# Altium PCB Gesturelink V1.PcbDoc (part 1 of 9) (continued)
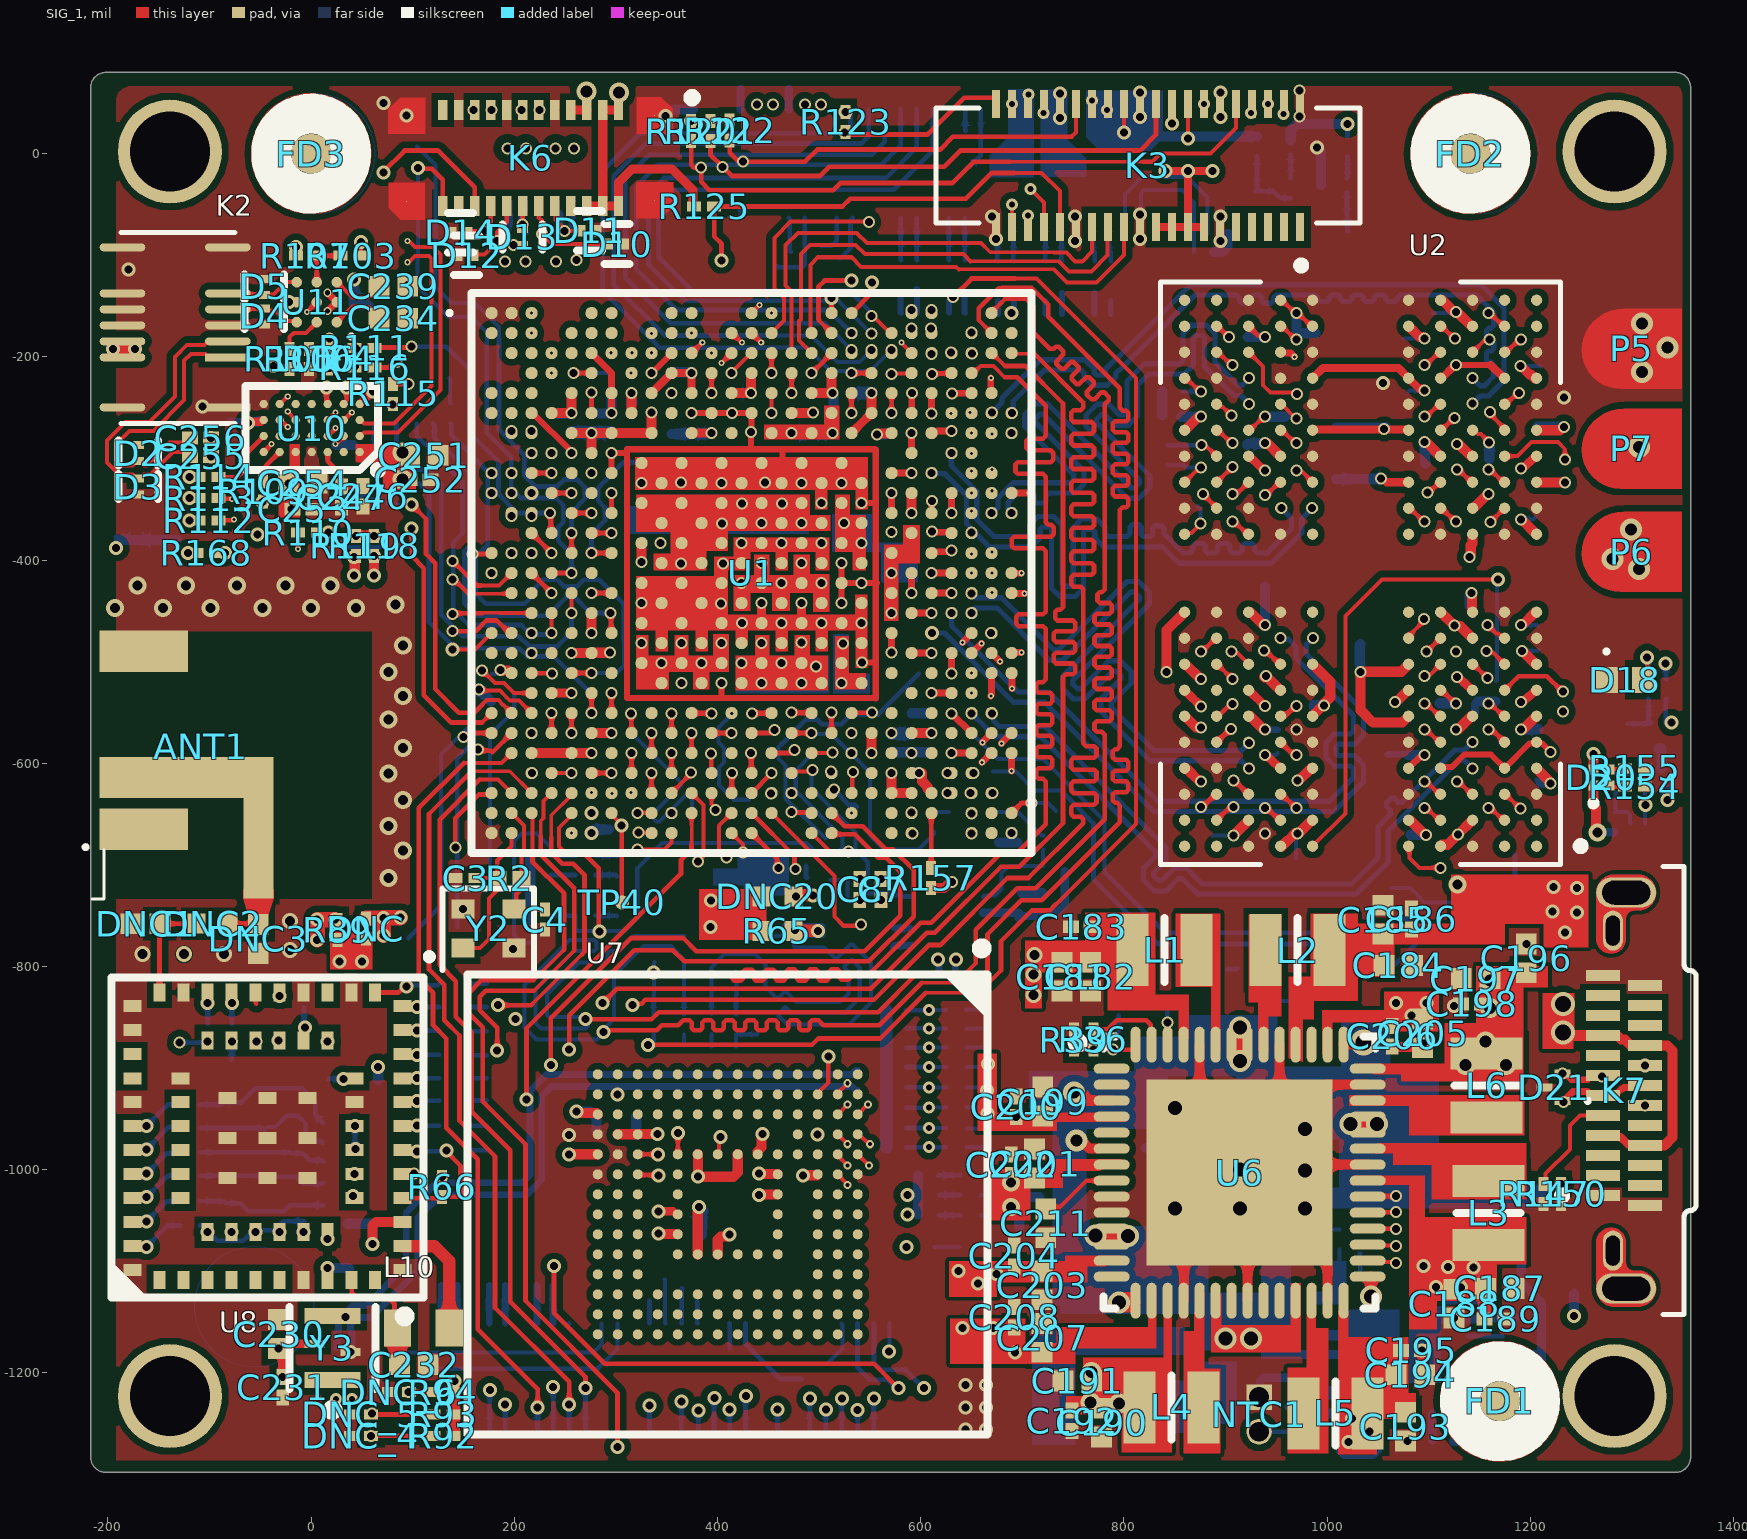
[diagram p0: SIG_1 view]
## Design rules (kind name [scope] priority, off if disabled: settings) (continued)
DiffPairsRouting "High Speed Digital" [InNetClass('High Speed Digital')] p1: maxlimit=5 minlimit=5 mostfreqgap=5 toplayer_minwidth=6.66 toplayer_maxwidth=6.66 toplayer_prefwidth=6.66 midlayer1_minwidth=4.3 midlayer1_maxwidth=4.3 midlayer1_prefwidth=4.3 midlayer2_minwidth=4.25 midlayer2_maxwidth=4.25 midlayer2_prefwidth=4.25 midlayer3_minwidth=4.3 midlayer3_maxwidth=4.3 midlayer3_prefwidth=4.3 midlayer4_minwidth=4.25 midlayer4_maxwidth=4.25 midlayer4_prefwidth=4.25 midlayer5_minwidth=4.57 midlayer5_maxwidth=4.57 midlayer5_prefwidth=4.57 midlayer6_minwidth=4.57 midlayer6_maxwidth=4.57 midlayer6_prefwidth=4.57 midlayer7_minwidth=4.25 midlayer7_maxwidth=4.25 midlayer7_prefwidth=4.25 midlayer8_minwidth=4.3 midlayer8_maxwidth=4.3 midlayer8_prefwidth=4.3 midlayer9_minwidth=4.25 midlayer9_maxwidth=4.25 midlayer9_prefwidth=4.25 midlayer10_minwidth=4.3 midlayer10_maxwidth=4.3 midlayer10_prefwidth=4.3 bottomlayer_minwidth=6.66 bottomlayer_maxwidth=6.66 bottomlayer_prefwidth=6.66 impedanceprofiledriven=TRUE impedanceprofileid={750C3DEB-29BA-4618-836A-6A0779AA5A03} impedanceprofilevalue=90.000000 maxuncoupledlength=500
DiffPairsRouting DISPLAY [InDifferentialPair('LVDS1_CLK')or  InDifferentialPair('LVDS1_D0')or     InDifferentialPair('LVDS1_D1')or  InDifferentialPair('LVDS1_D2')or  InDifferentialPair('LVDS1_D3')  or    InDifferentialPair('DSI_DATA_D0') or InDifferentialPair('DSI_CLK')   or InDifferentialPair('DSI_CK_OUT') or InDifferentialPair('DSI_CK_C') or InDifferentialPair('DSI_D0_C') or InDifferentialPair('DSI_D0_OUT') or InNetClass('MIPI DSI')] p2: maxlimit=5 minlimit=5 mostfreqgap=5 toplayer_minwidth=5.85 toplayer_maxwidth=5.85 toplayer_prefwidth=5.85 midlayer1_minwidth=3.73 midlayer1_maxwidth=3.73 midlayer1_prefwidth=3.73 midlayer2_minwidth=3.68 midlayer2_maxwidth=3.68 midlayer2_prefwidth=3.68 midlayer3_minwidth=3.73 midlayer3_maxwidth=3.73 midlayer3_prefwidth=3.73 midlayer4_minwidth=3.68 midlayer4_maxwidth=3.68 midlayer4_prefwidth=3.68 midlayer5_minwidth=3.98 midlayer5_maxwidth=3.98 midlayer5_prefwidth=3.98 midlayer6_minwidth=3.98 midlayer6_maxwidth=3.98 midlayer6_prefwidth=3.98 midlayer7_minwidth=3.68 midlayer7_maxwidth=3.68 midlayer7_prefwidth=3.68 midlayer8_minwidth=3.73 midlayer8_maxwidth=3.73 midlayer8_prefwidth=3.73 midlayer9_minwidth=3.68 midlayer9_maxwidth=3.68 midlayer9_prefwidth=3.68 midlayer10_minwidth=3.73 midlayer10_maxwidth=3.73 midlayer10_prefwidth=3.73 bottomlayer_minwidth=5.85 bottomlayer_maxwidth=5.85 bottomlayer_prefwidth=5.85 impedanceprofiledriven=TRUE impedanceprofileid={C217E41D-655C-4A68-BA80-7919DECD74AA} impedanceprofilevalue=95.000000 maxuncoupledlength=500
DiffPairsRouting "High speed camera (CSI)" [InDifferentialPair('CSI_CK') OR InDifferentialPair('CSI_D0')] p3: maxlimit=5 minlimit=5 mostfreqgap=5 toplayer_minwidth=5.85 toplayer_maxwidth=5.85 toplayer_prefwidth=5.85 midlayer1_minwidth=3.73 midlayer1_maxwidth=3.73 midlayer1_prefwidth=3.73 midlayer2_minwidth=3.68 midlayer2_maxwidth=3.68 midlayer2_prefwidth=3.68 midlayer3_minwidth=3.73 midlayer3_maxwidth=3.73 midlayer3_prefwidth=3.73 midlayer4_minwidth=3.68 midlayer4_maxwidth=3.68 midlayer4_prefwidth=3.68 midlayer5_minwidth=3.98 midlayer5_maxwidth=3.98 midlayer5_prefwidth=3.98 midlayer6_minwidth=3.98 midlayer6_maxwidth=3.98 midlayer6_prefwidth=3.98 midlayer7_minwidth=3.68 midlayer7_maxwidth=3.68 midlayer7_prefwidth=3.68 midlayer8_minwidth=3.73 midlayer8_maxwidth=3.73 midlayer8_prefwidth=3.73 midlayer9_minwidth=3.68 midlayer9_maxwidth=3.68 midlayer9_prefwidth=3.68 midlayer10_minwidth=3.73 midlayer10_maxwidth=3.73 midlayer10_prefwidth=3.73 bottomlayer_minwidth=5.85 bottomlayer_maxwidth=5.85 bottomlayer_prefwidth=5.85 impedanceprofiledriven=TRUE impedanceprofileid={C217E41D-655C-4A68-BA80-7919DECD74AA} impedanceprofilevalue=95.000000 maxuncoupledlength=500
DiffPairsRouting "Audio Routing" [InDifferentialPair('AIN0') or InDifferentialPair('MIC') or InDifferentialPair('SPEAKER') or InDifferentialPair('SPEAKER_CAP') or InDifferentialPair('SPEAKER_OUT')] p4: maxlimit=5 minlimit=3 mostfreqgap=5 toplayer_minwidth=3.94 toplayer_maxwidth=6.69 toplayer_prefwidth=6.66 midlayer1_minwidth=3.94 midlayer1_maxwidth=6.69 midlayer1_prefwidth=4.3 midlayer2_minwidth=3.94 midlayer2_maxwidth=6.69 midlayer2_prefwidth=4.25 midlayer3_minwidth=3.94 midlayer3_maxwidth=6.69 midlayer3_prefwidth=4.3 midlayer4_minwidth=3.94 midlayer4_maxwidth=6.69 midlayer4_prefwidth=4.25 midlayer5_minwidth=3.94 midlayer5_maxwidth=6.69 midlayer5_prefwidth=4.57 midlayer6_minwidth=3.94 midlayer6_maxwidth=6.69 midlayer6_prefwidth=4.57 midlayer7_minwidth=3.94 midlayer7_maxwidth=6.69 midlayer7_prefwidth=4.25 midlayer8_minwidth=3.94 midlayer8_maxwidth=6.69 midlayer8_prefwidth=4.3 midlayer9_minwidth=3.94 midlayer9_maxwidth=6.69 midlayer9_prefwidth=4.25 midlayer10_minwidth=3.94 midlayer10_maxwidth=6.69 midlayer10_prefwidth=4.3 bottomlayer_minwidth=3.94 bottomlayer_maxwidth=6.69 bottomlayer_prefwidth=6.66 impedanceprofiledriven=TRUE impedanceprofileid={750C3DEB-29BA-4618-836A-6A0779AA5A03} impedanceprofilevalue=90.000000 maxuncoupledlength=500
DiffPairsRouting "DDR Diff pairs" [InDifferentialPair('DDR_CK_A') or InDifferentialPair('DDR_CK_B') or InDifferentialPair('DSQ0_A')   or InDifferentialPair('DSQ0_B')   or InDifferentialPair('DSQ1_A')   or InDifferentialPair('DSQ1_B')] p5: maxlimit=5 minlimit=5 mostfreqgap=5 toplayer_minwidth=5.12 toplayer_maxwidth=5.12 toplayer_prefwidth=5.12 midlayer1_minwidth=3.24 midlayer1_maxwidth=3.24 midlayer1_prefwidth=3.24 midlayer2_minwidth=3.18 midlayer2_maxwidth=3.18 midlayer2_prefwidth=3.18 midlayer3_minwidth=3.24 midlayer3_maxwidth=3.24 midlayer3_prefwidth=3.24 midlayer4_minwidth=3.18 midlayer4_maxwidth=3.18 midlayer4_prefwidth=3.18 midlayer5_minwidth=3.46 midlayer5_maxwidth=3.46 midlayer5_prefwidth=3.46 midlayer6_minwidth=3.46 midlayer6_maxwidth=3.46 midlayer6_prefwidth=3.46 midlayer7_minwidth=3.18 midlayer7_maxwidth=3.18 midlayer7_prefwidth=3.18 midlayer8_minwidth=3.24 midlayer8_maxwidth=3.24 midlayer8_prefwidth=3.24 midlayer9_minwidth=3.18 midlayer9_maxwidth=3.18 midlayer9_prefwidth=3.18 midlayer10_minwidth=3.24 midlayer10_maxwidth=3.24 midlayer10_prefwidth=3.24 bottomlayer_minwidth=5.12 bottomlayer_maxwidth=5.12 bottomlayer_prefwidth=5.12 impedanceprofiledriven=TRUE impedanceprofileid={8625383F-8848-4314-B0A5-A561F684E90B} impedanceprofilevalue=100.000000 maxuncoupledlength=500
Length "LPDDR4 Length" [InNetClass('LPDDR4_DATA')] p1: maxlimit=1300 minlimit=850
MatchedLengths MatchedLengths_DDR_CLOCKS_STROBES [All] p1: tolerance=300 checknetsindiffpair=TRUE checkdiffpairvsdiffpair=FALSE checkxsignals=FALSE checkothers=FALSE
MinimumSolderMaskSliver [All] p1: minsoldermaskwidth=0.1
OvershootFalling "lpddr4 undershoot" [InNetClass('LPDDR4_DATA')] p1: maximum=220.0u
OvershootRising "LPDDR4 overshoot" [All] p1: maximum=200.0m
PolygonConnect "Battery Pack" [All vs InNet('BAT_PACK_IN')] p1: connectstyle=Relief reliefconductorwidth=10 reliefentries=4 polygonreliefangle="90 Angle" airgapwidth=10
PolygonConnect [All] p2: connectstyle=Direct reliefconductorwidth=10 reliefentries=4 polygonreliefangle="90 Angle" airgapwidth=10
RoutingLayers [All] p1: top layer_v5=TRUE mid layer 1_v5=FALSE mid layer 2_v5=TRUE mid layer 3_v5=TRUE mid layer 4_v5=FALSE mid layer 5_v5=TRUE mid layer 6_v5=TRUE mid layer 7_v5=FALSE mid layer 8_v5=TRUE mid layer 9_v5=TRUE mid layer 10_v5=FALSE bottom layer_v5=TRUE
RoutingVias MicroVias [IsSkipVia] p1: holewidth=6 width=12 viastyle="Through Hole" minholewidth=3 minwidth=6 maxholewidth=9 maxwidth=16
RoutingVias MicroVias_1 [IsMicroVia] p2: holewidth=3 width=6 viastyle="Through Hole" minholewidth=2 minwidth=4 maxholewidth=4 maxwidth=8
RoutingVias [All] p3: holewidth=28 width=50 viastyle="Through Hole" minholewidth=28 minwidth=50 maxholewidth=28 maxwidth=50
SignalBaseValue [All] p1: maximum=0.000
SignalStimulus Stimulus_LPDDR4_DATA [InNetClass('LPDDR4_DATA')] p1: kind=1 level=0 starttime=10.00n stoptime=10.30 periodtime=100.0n
SignalTopValue [All] p1: minimum=1.100
SilkToSilkClearance [All] p1: silktosilkclearance=0
SilkToSolderMaskClearance [IsPad] p1: minsilkscreentomaskgap=0 clearancetoexposedcopper=TRUE
SlopeFalling [InNetClass('LPDDR4_DATA')] p1: maxslope=200.0p
SlopeRising [InNetClass('LPDDR4_DATA')] p1: maxslope=200.0p
SolderMaskExpansion [All] p1: expansion=4 istentingtop=FALSE
SupplyNets "Schematic Supply Nets_97" [InNet('LIPO_IN_CHARGER')] p1: voltage=0.000
SupplyNets "Schematic Supply Nets_96" [InNet('I2C8_SDA')] p2: voltage=0.000
SupplyNets "Schematic Supply Nets_95" [InNet('I2C8_SCL')] p3: voltage=0.000
SupplyNets "Schematic Supply Nets_94" [InNet('I2C5_SDA')] p4: voltage=0.000
SupplyNets "Schematic Supply Nets_93" [InNet('I2C5_SCL')] p5: voltage=0.000
SupplyNets "Schematic Supply Nets_68" [InNet('ETH1_MDIO')] p6: voltage=0.000
SupplyNets "Schematic Supply Nets_56" [InNet('ETH_RGMII_MDC')] p7: voltage=0.000
SupplyNets "Schematic Supply Nets_15" [InNet('SAI2_SD_A_R')] p8: voltage=0.000
SupplyNets "Schematic Supply Nets_2" [InNet('SAI3_SD_A')] p9: voltage=0.000
SupplyNets "Schematic Supply Nets_11" [InNet('I2C2_SDA')] p10: voltage=0.000
SupplyNets "Schematic Supply Nets_92" [InNet('SPI7_MOSI')] p11: voltage=0.000
SupplyNets "Schematic Supply Nets_91" [InNet('STAT_IND')] p12: voltage=0.000
SupplyNets "Schematic Supply Nets_90" [InNet('SPI4_CS')] p13: voltage=0.000
SupplyNets "Schematic Supply Nets_89" [InNet('USART6_TX')] p14: voltage=0.000
SupplyNets "Schematic Supply Nets_88" [InNet('I2C2_SCL')] p15: voltage=0.000
SupplyNets "Schematic Supply Nets_87" [InNet('SPI2_CS')] p16: voltage=0.000
SupplyNets "Schematic Supply Nets_86" [InNet('USART2_RX')] p17: voltage=0.000
SupplyNets "Schematic Supply Nets_85" [InNet('SAI2_FS_B')] p18: voltage=0.000
SupplyNets "Schematic Supply Nets_84" [InNet('USB_MUX_SW')] p19: voltage=0.000
SupplyNets "Schematic Supply Nets_83" [InNet('SPI4_MISO')] p20: voltage=0.000
SupplyNets "Schematic Supply Nets_82" [InNet('UART8_RTS')] p21: voltage=0.000
SupplyNets "Schematic Supply Nets_81" [InNet('MIC_VDD')] p22: voltage=0.000
SupplyNets "Schematic Supply Nets_80" [InNet('SPI7_SCK')] p23: voltage=0.000
SupplyNets "Schematic Supply Nets_79" [InNet('USART2_TX')] p24: voltage=0.000
SupplyNets "Schematic Supply Nets_78" [InNet('OSC_OUT')] p25: voltage=0.000
SupplyNets "Schematic Supply Nets_77" [InNet('SYS_3V3')] p26: voltage=0.000
SupplyNets "Schematic Supply Nets_76" [InNet('VDD_EMMC')] p27: voltage=0.000
SupplyNets "Schematic Supply Nets_75" [InNet('VDD_SOC_0V8')] p28: voltage=0.000
SupplyNets "Schematic Supply Nets_74" [InNet('ETH_RGMII_TXD2')] p29: voltage=0.000
SupplyNets "Schematic Supply Nets_73" [InNet('SYS_1V8')] p30: voltage=0.000
SupplyNets "Schematic Supply Nets_72" [InNet('1V2_CODEC')] p31: voltage=0.000
SupplyNets "Schematic Supply Nets_71" [InNet('SPI2_MOSI')] p32: voltage=0.000
SupplyNets "Schematic Supply Nets_70" [InNet('SPI3_MOSI')] p33: voltage=0.000
SupplyNets "Schematic Supply Nets_69" [InNet('OSC32_IN')] p34: voltage=0.000
SupplyNets "Schematic Supply Nets_67" [InNet('SPI3_MISO')] p35: voltage=0.000
SupplyNets "Schematic Supply Nets_66" [InNet('ETH_RGMII_GTX_CLK')] p36: voltage=0.000
SupplyNets "Schematic Supply Nets_65" [InNet('SPI4_MOSI')] p37: voltage=0.000
SupplyNets "Schematic Supply Nets_64" [InNet('BAT_PACK_IN')] p38: voltage=0.000
SupplyNets "Schematic Supply Nets_63" [InNet('SPI5_SCK')] p39: voltage=0.000
SupplyNets "Schematic Supply Nets_62" [InNet('SAI3_SD_B')] p40: voltage=0.000
SupplyNets "Schematic Supply Nets_61" [InNet('UART8_TX')] p41: voltage=0.000
SupplyNets "Schematic Supply Nets_60" [InNet('I2C7_SCL')] p42: voltage=0.000
SupplyNets "Schematic Supply Nets_59" [InNet('UART8_CTS')] p43: voltage=0.000
SupplyNets "Schematic Supply Nets_58" [InNet('SAI3_SCK_B')] p44: voltage=0.000
SupplyNets "Schematic Supply Nets_57" [InNet('VBACKUP')] p45: voltage=0.000
SupplyNets "Schematic Supply Nets_55" [InNet('ETH_RGMII_TXD1')] p46: voltage=0.000
SupplyNets "Schematic Supply Nets_54" [InNet('VPP_DDR_1V8')] p47: voltage=0.000
SupplyNets "Schematic Supply Nets_53" [InNet('ETH_RGMII_TX_CTL')] p48: voltage=0.000
SupplyNets "Schematic Supply Nets_52" [InNet('SR_VLX')] p49: voltage=0.000
SupplyNets "Schematic Supply Nets_51" [InNet('ETH_RGMII_RXC')] p50: voltage=0.000
SupplyNets "Schematic Supply Nets_50" [InNet('MPU_VIN')] p51: voltage=0.000
SupplyNets "Schematic Supply Nets_49" [InNet('I2C7_SDA')] p52: voltage=0.000
SupplyNets "Schematic Supply Nets_48" [InNet('SPI2_SCK')] p53: voltage=0.000
SupplyNets "Schematic Supply Nets_47" [InNet('ETH_RGMII_RX_CLK')] p54: voltage=0.000
SupplyNets "Schematic Supply Nets_46" [InNet('CLKIN_CODEC')] p55: voltage=0.000
SupplyNets "Schematic Supply Nets_45" [InNet('USART6_RX')] p56: voltage=0.000
SupplyNets "Schematic Supply Nets_44" [InNet('SAI2_SCK_B')] p57: voltage=0.000
SupplyNets "Schematic Supply Nets_43" [InNet('SPEAKER_OUT_N')] p58: voltage=0.000
SupplyNets "Schematic Supply Nets_42" [InNet('SDMMC2_1V8')] p59: voltage=0.000
SupplyNets "Schematic Supply Nets_41" [InNet('SPI7_CS')] p60: voltage=0.000
SupplyNets "Schematic Supply Nets_40" [InNet('ETH_RGMII_TXD3')] p61: voltage=0.000
SupplyNets "Schematic Supply Nets_39" [InNet('UART8_RX')] p62: voltage=0.000
SupplyNets "Schematic Supply Nets_38" [InNet('ETH_RGMII_RXD0')] p63: voltage=0.000
SupplyNets "Schematic Supply Nets_37" [InNet('SPI1_SCK')] p64: voltage=0.000
SupplyNets "Schematic Supply Nets_36" [InNet('WIFI_VDDIO')] p65: voltage=0.000
SupplyNets "Schematic Supply Nets_35" [InNet('SAI3_FS_B')] p66: voltage=0.000
SupplyNets "Schematic Supply Nets_34" [InNet('SPI5_MOSI')] p67: voltage=0.000
SupplyNets "Schematic Supply Nets_33" [InNet('3V3_IMU')] p68: voltage=0.000
SupplyNets "Schematic Supply Nets_32" [InNet('SPI1_MOSI')] p69: voltage=0.000
SupplyNets "Schematic Supply Nets_31" [InNet('SDMMC2_3V3')] p70: voltage=0.000
SupplyNets "Schematic Supply Nets_30" [InNet('RF_OUT')] p71: voltage=0.000
SupplyNets "Schematic Supply Nets_29" [InNet('SPI2_MISO')] p72: voltage=0.000
SupplyNets "Schematic Supply Nets_28" [InNet('SPI1_CS')] p73: voltage=0.000
SupplyNets "Schematic Supply Nets_27" [InNet('SPEAKER_N')] p74: voltage=0.000
SupplyNets "Schematic Supply Nets_26" [InNet('SPI3_CS')] p75: voltage=0.000
SupplyNets "Schematic Supply Nets_25" [InNet('SPI1_MISO')] p76: voltage=0.000
SupplyNets "Schematic Supply Nets_24" [InNet('USB_VIN')] p77: voltage=0.000
SupplyNets "Schematic Supply Nets_23" [InNet('VDDQDDR_1V1')] p78: voltage=0.000
SupplyNets "Schematic Supply Nets_22" [InNet('ETH_RGMII_RXD1')] p79: voltage=0.000
SupplyNets "Schematic Supply Nets_21" [InNet('SPEAKER_OUT_P')] p80: voltage=0.000
SupplyNets "Schematic Supply Nets_20" [InNet('ETH_RGMII_RXD2')] p81: voltage=0.000
SupplyNets "Schematic Supply Nets_19" [InNet('VREFDDR')] p82: voltage=0.000
SupplyNets "Schematic Supply Nets_18" [InNet('SPI5_CS')] p83: voltage=0.000
SupplyNets "Schematic Supply Nets_17" [InNet('AIN0_N')] p84: voltage=0.000
SupplyNets "Schematic Supply Nets_16" [InNet('SAI2_SD_B_T')] p85: voltage=0.000
SupplyNets "Schematic Supply Nets_14" [InNet('SPI4_SCK')] p86: voltage=0.000
SupplyNets "Schematic Supply Nets_13" [InNet('SPI3_SCK')] p87: voltage=0.000
SupplyNets "Schematic Supply Nets_12" [InNet('SPI5_MISO')] p88: voltage=0.000
SupplyNets "Schematic Supply Nets_10" [InNet('SPI7_MISO')] p89: voltage=0.000
SupplyNets "Schematic Supply Nets_8" [InNet('AIN0_P')] p90: voltage=0.000
SupplyNets "Schematic Supply Nets_7" [InNet('USB_MUX_RST')] p91: voltage=0.000
SupplyNets "Schematic Supply Nets_6" [InNet('OSC_IN')] p92: voltage=0.000
SupplyNets "Schematic Supply Nets_5" [InNet('GND')] p93: voltage=0.000
SupplyNets "Schematic Supply Nets_4" [InNet('SPEAKER_P')] p94: voltage=0.000
SupplyNets "Schematic Supply Nets_3" [InNet('ETH_RGMII_TXD0')] p95: voltage=0.000
SupplyNets "Schematic Supply Nets_1" [InNet('ETH_RGMII_RXD3')] p96: voltage=0.000
SupplyNets "Schematic Supply Nets" [InNet('OSC32_OUT')] p97: voltage=0.000
UnRoutedNet ALL_SC [All] p1: checkbadconnections=TRUE
ViasUnderSMD [All] p1: allowed=TRUE
Width eMMC [InNetClass('eMMC')] p1: maxlimit=5 minlimit=4 preferedwidth=4.91 midlayer1_minwidth=4.67 midlayer1_maxwidth=4.67 midlayer1_prefwidth=4.67 midlayer2_minwidth=4.63 midlayer2_maxwidth=4.63 midlayer2_prefwidth=4.63 midlayer3_minwidth=4.67 midlayer3_maxwidth=4.67 midlayer3_prefwidth=4.67 midlayer4_minwidth=4.63 midlayer4_maxwidth=4.63 midlayer4_prefwidth=4.63 midlayer5_minwidth=4.91 midlayer5_maxwidth=4.91 midlayer6_minwidth=4.91 midlayer6_maxwidth=4.91 midlayer7_minwidth=4.63 midlayer7_maxwidth=4.63 midlayer7_prefwidth=4.63 midlayer8_minwidth=4.67 midlayer8_maxwidth=4.67 midlayer8_prefwidth=4.67 midlayer9_minwidth=4.63 midlayer9_maxwidth=4.63 midlayer9_prefwidth=4.63 midlayer10_minwidth=4.67 midlayer10_maxwidth=4.67 midlayer10_prefwidth=4.67 impedanceprofiledriven=TRUE impedanceprofileid={B0973272-D3A9-405B-967C-1AA3439E10BB} impedanceprofilevalue=50.000000 minimp=50.000000 maximp=50.000000 favimp=50.000000
Width "Speaker and Mic" [InNet('AIN0_N') and InNet('AIN0_P') and InNet('MIC_N')and InNet('MIC_P')] p2: maxlimit=5 minlimit=4 preferedwidth=4.67 toplayer_prefwidth=4.68 midlayer1_minwidth=4.67 midlayer1_maxwidth=4.67 midlayer2_minwidth=4.63 midlayer2_maxwidth=4.63 midlayer2_prefwidth=4.63 midlayer3_minwidth=4.67 midlayer3_maxwidth=4.67 midlayer4_minwidth=4.63 midlayer4_maxwidth=4.63 midlayer4_prefwidth=4.63 midlayer5_minwidth=4.91 midlayer5_maxwidth=4.91 midlayer5_prefwidth=4.91 midlayer6_minwidth=4.91 midlayer6_maxwidth=4.91 midlayer6_prefwidth=4.91 midlayer7_minwidth=4.63 midlayer7_maxwidth=4.63 midlayer7_prefwidth=4.63 midlayer8_minwidth=4.67 midlayer8_maxwidth=4.67 midlayer9_minwidth=4.63 midlayer9_maxwidth=4.63 midlayer9_prefwidth=4.63 midlayer10_minwidth=4.67 midlayer10_maxwidth=4.67 bottomlayer_prefwidth=4.68 minimp=50.000000 maximp=50.000000 favimp=50.000000
Width Audio_width [InNetClass('Audio Codec')] p3: maxlimit=10 minlimit=4.63 preferedwidth=4.91 midlayer1_minwidth=4.67 midlayer1_maxwidth=4.67 midlayer1_prefwidth=4.67 midlayer2_maxwidth=4.63 midlayer2_prefwidth=4.63 midlayer3_minwidth=4.67 midlayer3_maxwidth=4.67 midlayer3_prefwidth=4.67 midlayer4_maxwidth=4.63 midlayer4_prefwidth=4.63 midlayer5_minwidth=4.91 midlayer5_maxwidth=4.91 midlayer6_minwidth=4.91 midlayer6_maxwidth=4.91 midlayer7_maxwidth=4.63 midlayer7_prefwidth=4.63 midlayer8_minwidth=4.67 midlayer8_maxwidth=4.67 midlayer8_prefwidth=4.67 midlayer9_maxwidth=4.63 midlayer9_prefwidth=4.63 midlayer10_minwidth=4.67 midlayer10_maxwidth=4.67 midlayer10_prefwidth=4.67 impedanceprofiledriven=TRUE impedanceprofileid={B0973272-D3A9-405B-967C-1AA3439E10BB} impedanceprofilevalue=50.000000 minimp=50.000000 maximp=50.000000 favimp=50.000000
Width WIFI_WIDTH [InNetClass('WiFi & BlueTooth')] p4: maxlimit=5.12 minlimit=4.58 preferedwidth=4.91 toplayer_prefwidth=4.58 midlayer1_minwidth=4.67 midlayer1_maxwidth=4.67 midlayer1_prefwidth=4.67 midlayer2_minwidth=4.63 midlayer2_maxwidth=4.63 midlayer2_prefwidth=4.63 midlayer3_minwidth=4.67 midlayer3_maxwidth=4.67 midlayer3_prefwidth=4.67 midlayer4_minwidth=4.63 midlayer4_maxwidth=4.63 midlayer4_prefwidth=4.63 midlayer5_minwidth=4.91 midlayer5_maxwidth=4.91 midlayer6_minwidth=4.91 midlayer6_maxwidth=4.91 midlayer7_minwidth=4.63 midlayer7_maxwidth=4.63 midlayer7_prefwidth=4.63 midlayer8_minwidth=4.67 midlayer8_maxwidth=4.67 midlayer8_prefwidth=4.67 midlayer9_minwidth=4.63 midlayer9_maxwidth=4.63 midlayer9_prefwidth=4.63 midlayer10_minwidth=4.67 midlayer10_maxwidth=4.67 midlayer10_prefwidth=4.67 bottomlayer_prefwidth=4.58 minimp=50.000000 maximp=50.000000 favimp=50.000000
Width "RF Frontend" [InNetClass('RF Frontend')] p5: maxlimit=10 minlimit=4.63 preferedwidth=4.63 toplayer_minwidth=4.67 toplayer_maxwidth=4.67 toplayer_prefwidth=4.67 midlayer1_minwidth=4.67 midlayer1_maxwidth=4.67 midlayer1_prefwidth=4.67 midlayer2_maxwidth=4.63 midlayer3_minwidth=4.67 midlayer3_maxwidth=4.67 midlayer3_prefwidth=4.67 midlayer4_maxwidth=4.63 midlayer5_minwidth=4.91 midlayer5_maxwidth=4.91 midlayer5_prefwidth=4.91 midlayer6_minwidth=4.91 midlayer6_maxwidth=4.91 midlayer6_prefwidth=4.91 midlayer7_maxwidth=4.63 midlayer8_minwidth=4.67 midlayer8_maxwidth=4.67 midlayer8_prefwidth=4.67 midlayer9_maxwidth=4.63 midlayer10_minwidth=4.67 midlayer10_maxwidth=4.67 midlayer10_prefwidth=4.67 bottomlayer_minwidth=10 bottomlayer_prefwidth=10 minimp=50.000000 maximp=50.000000 favimp=50.000000